# Altium PCB Inverter.PcbDoc (part 1 of 2)
Units mm, origin at the board's own origin, x right, y up, seen from the top; angles counter-clockwise.
Board outline 174 x 124 mm, 2 copper layers (Top Layer, Bottom Layer); 82 components, 224 nets, 236 pads, 107 vias.
Unrouted connection lines stored in the file: 52.
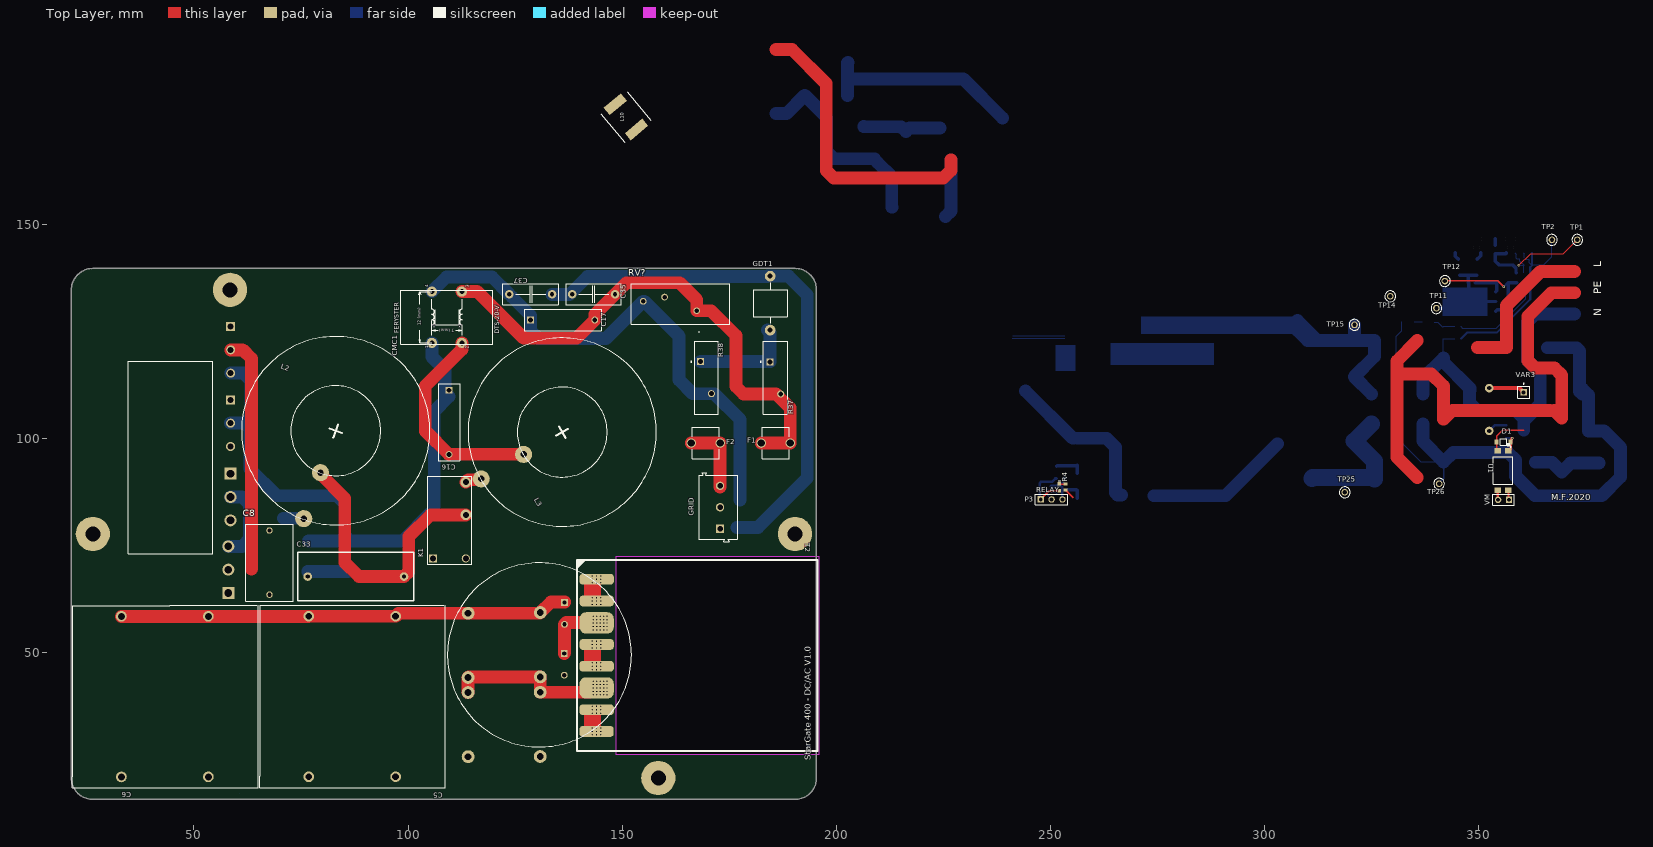
[diagram p0: Top Layer view]
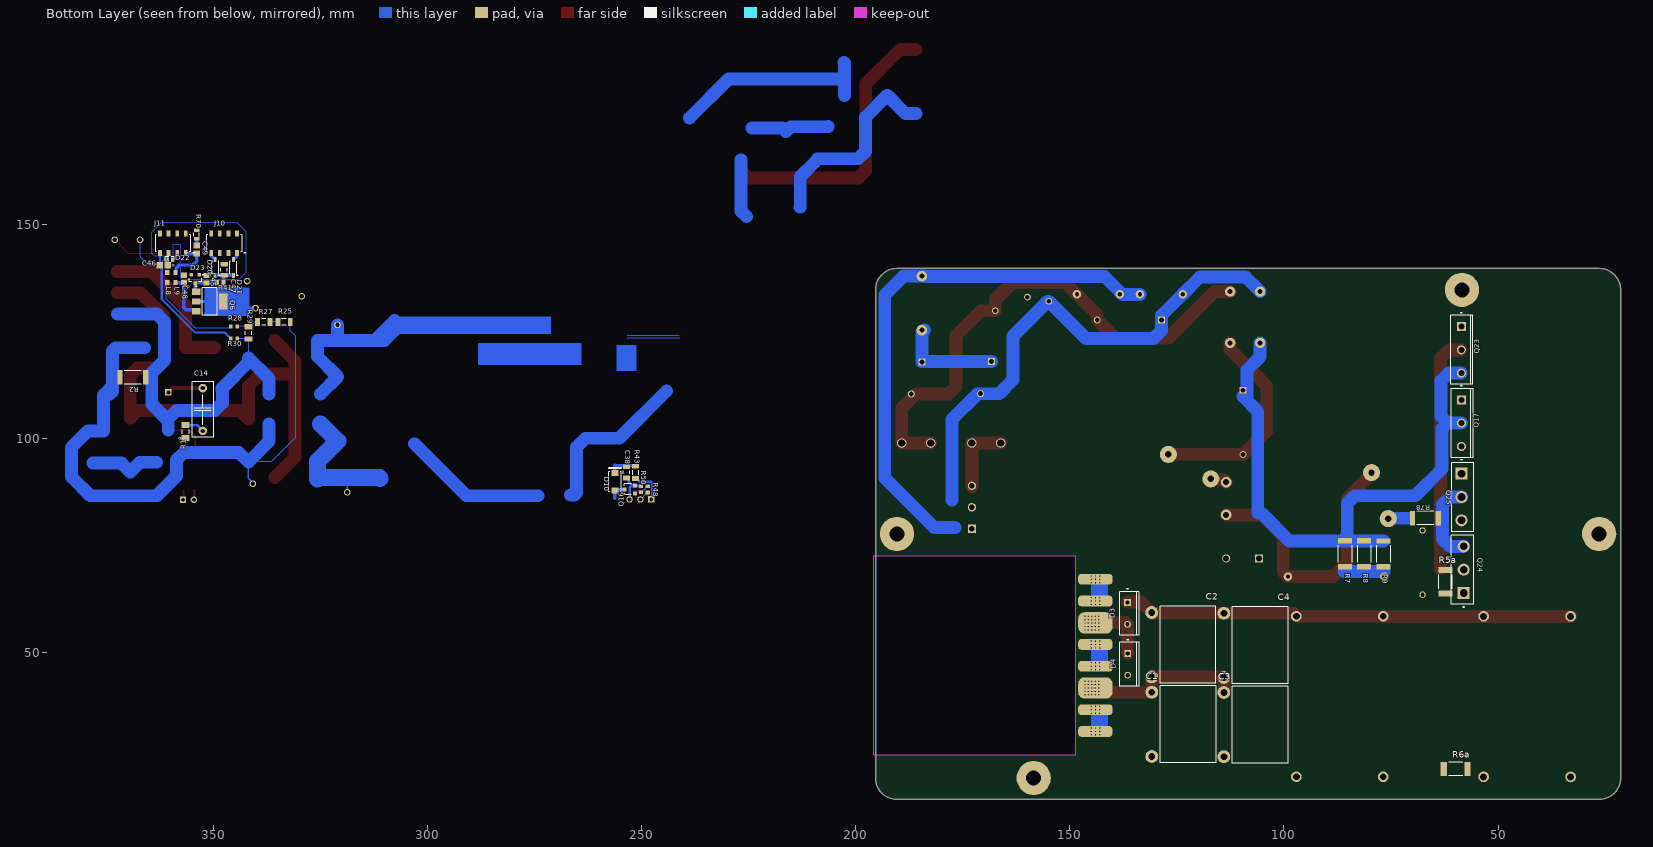
[diagram p1: Bottom Layer view, seen from below]

## Layer stack, top to bottom
Top Solder: solder mask 0.0102, Solder Resist, Dk 3.5
Top Layer: signal copper 0.0356
Dielectric 1: dielectric 0.32, FR-4, Dk 4.8
Bottom Layer: signal copper 0.0356
Bottom Solder: solder mask 0.0102, Solder Resist, Dk 3.5

## Board outline
21.375,20.625 21.375,134.625 cw(c26.375,134.625) 26.375,139.625 190.375,139.625 cw(c190.375,134.625) 195.375,134.625 195.375,20.625 cw(c190.375,20.625) 190.375,15.625 26.375,15.625 cw(c26.375,20.625)
cut-out: 148.6,72.425 195.85,72.425 195.85,26.012 148.6,26.012

## Design rules (kind name [scope] priority, off if disabled: settings)
Clearance Clearance_3 [HasFootprint('SMTC-CLT-104-02-X-D-BE')] p1: gap=0.178 ignorepadtopadclearanceinfootprint=FALSE except(0: Arc-THPad Arc-Hole Track-THPad Track-Hole SMDPad-SMDPad SMDPad-THPad SMDPad-Hole)
Clearance [All] p2: gap=0.254 ignorepadtopadclearanceinfootprint=FALSE
Clearance Clearance_2 [InNetClass('GRID')] p3: gap=2 ignorepadtopadclearanceinfootprint=FALSE
Clearance Clearance_1 [InNetClass('HVDC')] p4: gap=1 ignorepadtopadclearanceinfootprint=FALSE
HoleSize [All] p1: absolutevalues=TRUE maxlimit=5 minlimit=0.025 maxpercent=80.000 minpercent=20.000
PolygonConnect [All] p1: connectstyle=Direct reliefconductorwidth=0.254 reliefentries=4 polygonreliefangle="90 Angle" airgapwidth=0.254
RoutingVias [All] p1: holewidth=0.711 width=1.27 viastyle="Through Hole" minholewidth=0.711 minwidth=1.27 maxholewidth=0.711 maxwidth=1.27
SolderMaskExpansion [All] p1: expansion=0.102 istentingtop=FALSE
Width [All] p1: maxlimit=20 minlimit=0.178 preferedwidth=0.254
29 further rules are at their usual default settings.

## Classes and differential pairs
component class Control_Sense_TOPMOS: U13
component class "Control_Sense_BOTTMOS V2": L10 U13
net class HVDC: HV_MID_MOS NetC1_1 NetD3_2 NetL2_2 V_400VDC
net class GRID: "EARTH GND" L_GRID L_GRID_MAINS N_GRID NetC15_1 NetC16_2 NetC33_2 NetD?_2 NetGDT1_1
component class Inverter: C2 C3 C4 C5 C6 C14 C16 C17 C33 C35 C37 C38 C45 C46 C47 C48 C49 CMC1 D1 D3 D4 D10 D20 D21 D22 D23 F1 F2 GDT1 GRID J10 J11 K1 L2 L3 L8 L9 P3 Q16 Q17 Q23 Q25 R1 R2 R4 R7 R8 R9 R25 R27 R28 R29 R30 R37 R41 R43 R48 R50 R70 R78 RELAY T2 TP1 TP2 TP11 TP12 TP14 TP15 TP25 TP26 U1 U17 U18 VAR3 VM

## Components (designator, comment, footprint, x,y, rotation, side; value= is the part's Value field where it differs from the comment)
C1 "1uF" ECW-FE2W105K 122.35,33.15 r0 bottom
C2 "1uF" ECW-FE2W105K 122.375,51.75 r0 bottom
C3 "1uF" ECW-FE2W105K 105.525,33.1 r0 bottom
C4 "1uF" ECW-FE2W105K 105.525,51.6 r0 bottom
C5 "45 uF 500V" C4AQLLW5450A38K 76.8,58.405 r270 top value=45uF
C6 "45 uF 500V" C4AQLLW5450A38K 33.05,58.375 r270 top value=45uF
C8 "R71VI4100ZA0EK" R71VI4100ZA0EK 67.625,78.425 r270 top
C14 "0.22uF" "CAPMF13.0x5.0x11.0x10.0mm LxWxHxP" 352.475,106.675 r90 bottom
C16 "B32922C3104K" TDK-B32922C3104K 109.55,103.675 r270 top
C17 "B32922C3104K" TDK-B32922C3104K 136.1,127.575 r0 top
C33 "560nF" ECWFE2W335J 87.8,67.675 r0 top
C35 "2.2nF" "CAPMF13.0x5.0x11.0x10.0mm LxWxHxP" 143.325,133.6 r0 top
C37 "2.2nF" "CAPMF13.0x5.0x11.0x10.0mm LxWxHxP" 128.625,133.6 r0 top
C38 "10uF 25V" CAPC3216X229X50LL20T25 253.55,92 r90 bottom
C45 "330 nF" CAPC2013X70X45NL10T25 351.625,137.1 r270 bottom
C46 "4.7nF/C0G" CAPC2013X94X50ML20T25 361.575,140.375 r180 bottom
C47 "10uF 25V" CAPC3216X229X50LL20T25 347.475,139.325 r270 bottom
C48 "2.2uF" CAPC2013X70X45NL10T25 356.9,137.2 r270 bottom
C49 "10 uF" CAPC2013X135X45ML10T25 353.925,144.05 r270 bottom
CMC1 "" DTS-20/0,47/7,0 105.55,122.225 r90 top
D1 "MMSZ4682T1G" ONSC-SOD-123-2-425-04_V 355.85,99.1 r180 top
D3 "IDH06G65C6XKSA1" INF-PG-TO220-2-1 136.525,59.05 r180 bottom
D4 "IDH06G65C6XKSA1" INF-PG-TO220-2-1 136.475,47.175 r180 bottom
D10 "STPS1H100A" STM-SMA-2_V 256.225,89.8 r90 bottom
D20 "1N5819HW-7-F" DIOD-SOD-123-2_V 349.575,139.85 r270 bottom
D21 "1N5819HW-7-F" DIOD-SOD-123-2_V 345.35,139.85 r270 bottom
D22 "GG040205170N2P" RESC1005X40N 360.15,141.825 r180 bottom
D23 "5.6V" ONSC-SOT-23-3-318-08_V 354.225,137.15 r270 bottom
F1 "3517" KSTN-3517-2_V 185.863,98.838 r0 top
F2 "3517" KSTN-3517-2_V 169.5,98.85 r0 top
GDT1 "AC240" AC240 184.55,125.225 r90 top
GRID "691101710003" 691101710003 172.35,83.85 r90 top
J10 "CLT-104-02-L-D-BE" SMTC-CLT-104-02-X-D-BE 347.5,145.5 r0 bottom
J11 "CLT-104-02-L-D-BE" SMTC-CLT-104-02-X-D-BE 359.45,145.5 r0 bottom
K1 "ALQ312" PNSC-LQ-4-2000x1000x1600_V 105.855,71.915 r90 top
L2 "1mH" PCBComponent_1 83.1,101.725 r340 top
L3 "1mH" PCBComponent_1 136,101.4 r300 top
L8 "742792097" SMD-0805 360.75,137.475 r90 bottom
L9 "MMZ1608A222BTA00" SMD-0805 358.825,137.475 r90 bottom
L10 "22uH" INDPM8680X400N 150.849,175.016 r130 top
P3 "Header 3" HDR1X3 247.735,85.675 r0 top
Q6 "DZT2222A-13" ONSC-SOT-223-4-318E-04_V 350.85,131.9 r180 bottom
Q16 "2N7002" STM-SOT-23-3_V 252.775,88.025 r90 bottom
Q17 "IKW30N65EL5 / STGW30M65DF2" INF-PG-TO247-3_V 58.55,103.5 r180 bottom
Q23 "IKW30N65EL5 / STGW30M65DF2" INF-PG-TO247-3_V 58.575,120.615 r180 bottom
Q24 "C3M0065090D" CREE-TO-247-3_V 58.025,69.275 r90 bottom
Q25 "C3M0065090D" CREE-TO-247-3_V 58.525,86.24 r270 bottom
R1 "1k" RESC3216X60X45ML15T20 356.475,101.525 r90 bottom
R2 "1M 5% 2512(6432)" RESC2512(6432)_N 368.825,114.175 r0 bottom value="1000000.00 Ohm"
R4 "3.3k" RESC1608X55X25NL10T15 253.5,88.55 r90 top
R5a "0R" RESC6432X89X76LL25T25 62.25,66.45 r90 bottom
R6a "0.025R" RESC6432X89X76LL25T25 59.9,22.725 r0 bottom
R7 "30R/2W" RESC2512(6432)_N 85.75,73 r270 bottom value="100.00 Ohm"
R8 "30R/2W" RESC2512(6432)_N 81.3,73 r270 bottom value="100.00 Ohm"
R9 "30R/2W" RESC2512(6432)_N 76.75,72.975 r270 bottom value="100.00 Ohm"
R25 "1M 0.1% 1206" RESC1206(3216)_N 333.5,127.125 r180 bottom value="1500000.00 Ohm"
R27 "1M 0.1% 1206" RESC1206(3216)_N 338.225,127.1 r180 bottom value="1500000.00 Ohm"
R28 "0R" RESC1608X55X25ML10T15 345.2,126.075 r0 bottom
R29 "7.5k 0.1% 1206" RESC3216X50X50NL20T20 341.8,124.575 r90 bottom
R30 "0R" RESC1608X55X25ML10T15 345.2,123.275 r0 bottom
R37 "V275LA20AP" LFUS-V275LA20AP 185.775,114.075 r270 top
R38 "V275LA20AP" LFUS-V275LA20AP 169.575,114.125 r270 top
R41 "47R" RESC2013X70X40LL20T20 348.4,136.275 r180 bottom
R43 "470R" RESC3216X70X50NL05T20 251.425,92 r270 bottom
R48 "330R" RESC1608X55X30ML15T15 248.55,88.05 r90 bottom
R50 "100K" RESC1608X55X30NL15T15 250.125,88.05 r270 bottom
R70 "1R" RESC2012X70N 353.9,147.55 r270 bottom
R78 "0.025R 1% 2512(6432)" RESC2512(6432)_N 66.975,81.3 r0 bottom value="100.00 Ohm"
RELAY "150060GS75000" 0603_A 252.075,88.5 r270 top
RV? "B72220W2271K101" B72220W2271K101 167.4,129.75 r180 top
T2 "LLC 400W" ETD39-K-V-16P-HORIZONTAL-SEC 139.475,26.925 r0 top locked
TP1 "5002" KSTN-5002 373.05,146.3 r0 top
TP2 "5002" KSTN-5002 367.125,146.3 r0 top
TP11 "5002" KSTN-5002 340.15,130.35 r90 top
TP12 "5002" KSTN-5002 342.125,136.675 r90 top
TP14 "5002" KSTN-5002 329.36,133.115 r90 top
TP15 "5002" KSTN-5002 321.025,126.45 r90 top
TP25 "5002" KSTN-5002 318.75,87.35 r90 top
TP26 "5002" KSTN-5002 340.775,89.35 r90 top
U1 "FOD817A3SD" FAIR-SMT-4_V 355.7,92.45 r270 top
VAR3 "Plug" PIN1 360.5,110.675 r0 top
VM "Header 2" HDR1X2 357.1,85.6 r180 top

## Footprints (in the part's own frame and the unit in brackets; to place one, negate y for a bottom-side part, rotate by r counter-clockwise, add the part's x,y. Pads: shape width x height; smd on the part's side, far side on the other; paste and mask are expansions set on the pad)
0603_A [mm] "Chip LED, 2-Leads, Body 1.6x0.8mm, IPC Medium Density"
  rect 0.8x0.8 smd: 1(-0.8,0) 2(0.8,0)
  silkscreen extent -1.5,-0.3 -1.5,0.3, body extent -0.8,-0.4 0.8,0.4, height 0.7
691101710003 [mm] "5,00mm - modular - blue - Horizontal entry with pressure clamp - 12,6mm height - 03p"
  rect 1.95x1.95 hole 1.3: 1(-5,-0.5)
  round 1.95 hole 1.3: 2(0,-0.5) 3(5,-0.5)
  silkscreen extent -8.1,-4.5 8.1,4.5, body extent -8.1,-4.5 8.1,4.5, height 12.65
AC240 [mm]
  round 2.5 hole 1.2: 1(0,0) 2(12.6,0)
  silkscreen extent 1.59,-4 11.02,4
B72220W2271K101 [mm]
  round 1.575 hole 1.05: 1(0,0) 2(7.5,-3.2) 3(12.5,-2.2)
  silkscreen extent -7.75,-6.35 15.25,5.05, body extent -7.75,-6.35 15.25,3.15, height 28.1
C4AQLLW5450A38K [mm]
  round 2.5 hole 1.6: 1(0,20.3) 1(0,0) 2(37.48,20.3) 2(37.5,0)
  silkscreen extent -2.55,-11.47 40.05,31.93, body extent -2.55,-11.48 40.05,31.93, height 25.2
CAPC2013X70X45NL10T25 [mm] "Chip Capacitor, 2-Leads, Body 2.00x1.25mm, IPC Medium Density"
  rect 1.2x1.4 smd: 1(-0.85,0) 2(0.85,0)
  body extent -1.05,-0.67 1.05,0.67, height 0.7
CAPC2013X94X50ML20T25 [mm] "Chip Capacitor, 2-Leads, Body 2.01x1.25mm, IPC Low Density"
  rect 1.55x1.55 smd: 1(-0.925,0) 2(0.925,0)
  body extent -1.1,-0.72 1.11,0.72, height 0.94
CAPC2013X135X45ML10T25 [mm] "Chip Capacitor, 2-Leads, Body 2.00x1.25mm, IPC Low Density"
  rect 1.4x1.5 smd: 1(-0.95,0) 2(0.95,0)
  body extent -1.05,-0.67 1.05,0.67, height 1.35
CAPC3216X229X50LL20T25 [mm] "Chip Capacitor, 2-Leads, Body 3.40x1.80mm, IPC High Density"
  rect 1.1x1.7 smd: 1(-1.3,0) 2(1.3,0)
  silkscreen extent -0.35,-0.75 0.35,0.75, body extent -1.7,-0.9 1.7,0.9, height 2.29
"CAPMF13.0x5.0x11.0x10.0mm LxWxHxP" [mm] "Capacitor, THT, Metallized Polypropylene Film, 10mm lead pitch"
  round 2 hole 0.965: 1(-5,0) 2(5,0)
  silkscreen extent -6.5,-2.5 6.5,2.5, body extent -6.5,-2.5 6.5,2.5, height 11
CREE-TO-247-3_V [mm] "FM, 3-Leads, Body 16.13x5.21 mm, Pitch 5.44mm"
  rect 2.8x2.8 hole 1.8 paste+0: 1(-5.44,0)
  round 2.8 hole 1.8 paste+0: 2(0,0) 3(5.44,0)
  silkscreen extent -8.84,-2.33 8.06,2.88, body extent -8.06,-2.28 8.06,2.88, height 25.5
DIOD-SOD-123-2_V [mm] "SOD-123, 2-Leads, Body 2.85x1.7mm (max), Pitch 3.7mm"
  rect 1.2x0.7 smd: 1(-1.85,0) 2(1.85,0)
  silkscreen extent -1.43,-0.85 1.97,1.02, body extent -1.42,-0.85 1.42,0.85, height 1.45
DTS-20/0,47/7,0 [mm]
  round 2.4 hole 1.2: 1(0,0) 2(0,-7) 3(12,-7) 4(12,0)
  silkscreen extent -0.25,-14.25 12.25,7.25, body extent -0.51,-14.1 12.44,6.96, height 20.03
ECW-FE2W105K [mm]
  round 3 hole 1.6: 1(8.5,-7.5) 2(8.5,7.5)
  silkscreen extent -6.5,-9.01 6.5,9, body extent -6.5,-9 6.5,9, height 7
ECWFE2W335J [mm]
  round 2 hole 1: 1(-11.25,0) 2(11.25,0)
  silkscreen extent -13.6,-5.65 13.58,5.65, body extent -13,-5 13,5, height 17
ETD39-K-V-16P-HORIZONTAL-SEC [mm]
  rrect60% 8x2.5 smd: 9(4.549,4.57) 10(4.563,9.647) 12(4.563,19.807) 13(4.563,24.887) 15(4.563,35.047) 16(4.563,40.127)
  rrect60% 8x2.5 smd far side: 9(4.563,4.567) 10(4.563,9.647) 12(4.563,19.807) 13(4.563,24.887) 15(4.563,35.047) 16(4.563,40.127)
  round 0 all layers, no hole: 9(7.428,4.568) 10(7.428,9.643) 11(7.374,14.727) 12(7.428,19.818) 13(7.424,24.87) 14(7.374,29.92) 15(7.428,35.043) 16(7.428,40.118)
  rrect60% 8x5 smd far side: 11(4.563,14.727) 14(4.563,29.92)
  rrect60% 8x5 smd: 11(4.563,14.727) 14(4.563,29.92)
  silkscreen extent 0,0 56.13,44.57, body extent 3.6,0.23 55.8,44.73, height 27.5
FAIR-SMT-4_V [mm] "SMD, 4-Leads, Body 6.5x4.6mm, Pitch 2.54mm"
  rect 1.3x1.5 smd: 1(-4.6,1.27) 2(-4.6,-1.27) 3(4.6,-1.27) 4(4.6,1.27)
  silkscreen extent -6.2,-2.3 3.25,2.3, body extent -3.25,-2.3 3.25,2.3, height 3.85
HDR1X2 [mm] "Connector; Header; 2 Position"
  rect 1.5x1.5 hole 0.9: 1(0,0)
  round 1.5 hole 0.9: 2(2.54,0)
  silkscreen extent -1.27,-1.27 3.81,1.27
HDR1X3 [mm] "Connector; Header; 3 Position"
  rect 1.5x1.5 hole 0.9: 1(0,0)
  round 1.5 hole 0.9: 2(2.54,0) 3(5.08,0)
  silkscreen extent -1.27,-1.27 6.35,1.27
INDPM8680X400N [mm]
  rect 2.2x5.3 smd: 1(-3.85,0) 2(3.85,0)
  silkscreen extent -4.33,-4 4.33,4, body extent -4.33,-4 4.33,4, height 4
INF-PG-TO220-2-1 [mm] "FM, 2-Leads, Body 10x4.4mm, Pitch 5.08mm"
  rect 1.6x1.6 hole 1: 1(0,2.54)
  round 1.6 hole 1: 2(0,-2.54)
  silkscreen extent -1.85,-5.1 2.65,5.87, body extent -1.85,-5.1 2.65,5.1, height 19.65
INF-PG-TO247-3_V [mm] "FM, 3-Leads, Body 20.96x15.865mm, Pitch 5.44mm"
  rect 2.1x2.1 hole 1.4: 1(0,5.44)
  round 2.1 hole 1.4: 2(0,0) 3(0,-5.44)
  silkscreen extent -2.49,-8.05 2.71,8.82, body extent -2.49,-8.03 2.71,8.03, height 25.57
KSTN-3517-2_V [mm] "THD, 2-Leads, Pin Spacing 6.76mm, Height 8.71mm"
  round 2.2 hole 1.7: 1(-3.38,0) 2(3.38,0)
  silkscreen extent -3.13,-3.7 3.13,3.7, body extent -3.78,-3.7 3.78,3.7, height 8.69
KSTN-5002 [mm] "Test Point, Through Hole, Dia 2.54mm"
  round 1.55 hole 1.016: 1(0,0)
  silkscreen extent -1.27,-1.27 1.27,1.27, body extent -1.25,-1.25 1.25,1.25, height 4.62
LFUS-V275LA20AP [mm] "THD, 2-Leads, Body 17x5.6mm, Pitch 7.5mm"
  rect 1.65x1.65 hole 1.15: 1(-3.75,-1.25)
  round 1.65 hole 1.15: 2(3.75,1.25)
  silkscreen extent -8.5,-3.57 8.5,2.8, body extent -8.5,-2.8 8.5,2.8, height 20
ONSC-SOD-123-2-425-04_V [mm] "SOD, 2-Leads, Body 2.69x1.6mm"
  rect 0.91x1.22 smd: 1(-1.635,0) 2(1.635,0)
  silkscreen extent -1.76,-0.8 0.78,1.28, body extent -1.35,-0.8 1.35,0.8, height 1.35
ONSC-SOT-23-3-318-08_V [mm] "SOT23, 3-Leads, Body 2.92x1.3mm, Pitch 0.95mm"
  rect 0.9x0.8 smd: 1(-1,0.95) 2(-1,-0.95) 3(1,0)
  silkscreen extent -1.12,-1.46 0.65,2.02, body extent -0.65,-1.46 0.65,1.46, height 1.11
ONSC-SOT-223-4-318E-04_V [mm] "SOT223, 4-Leads, Body 6.5x3.5mm, Pitch 2.3mm"
  rect 2x1.5 smd: 1(-3.15,2.3) 2(-3.15,0) 3(-3.15,-2.3)
  rect 2x3.8 smd: 4(3.15,0)
  silkscreen extent -3.27,-3.25 1.75,3.72, body extent -1.75,-3.25 1.75,3.25, height 1.75
PCBComponent_1 [mm]
  round 4 hole 1.5: 1(0,-10.414) 2(0,-21.844)
  silkscreen extent -22,-22 22,22, body extent -20.97,-21.98 20.97,21.74, height 16.8
PIN1 [mm] "Connector; Plug"
  rect 1.5x1.5 hole 0.9: 1(0,0)
  silkscreen extent -1.4,-1.4 1.4,2.17
PNSC-LQ-4-2000x1000x1600_V [mm] "LQ, 4-Leads, Body 20x10mm"
  rect 1.9x1.9 hole 1.4: 1(0,0)
  round 2.5 hole 1.4: 2(17.78,-7.62) 3(10.16,-7.62)
  round 1.9 hole 1.4: 4(0,-7.62)
  silkscreen extent -1.35,-9.01 19.13,1.39, body extent -1.31,-9.01 19.09,1.39, height 16.6
R71VI4100ZA0EK [mm]
  round 1.5 hole 1: 1(0,0) 2(15,0)
  silkscreen extent -1.5,-5.5 16.5,5.5, body extent -1.5,-5.5 16.5,5.5, height 19.2
RESC1005X40N [mm] "Chip Resistor, Body 1.0x0.5mm, EIA 0402, IPC Medium Density"
  round 0.2 on Mech15: 0(0,0)
  rrect20% 0.6x0.6 smd: 1(-0.5,0) 2(0.5,0)
  Top Layer pour cut-out: -0.325,0.375 -0.2,0.5 0.2,0.5 0.325,0.375 0.325,-0.375 0.2,-0.5 -0.2,-0.5 -0.325,-0.375
  silkscreen extent -1.05,-0.55 1.05,0.55, body extent -0.52,-0.27 0.53,0.28, height 0.4
RESC1206(3216)_N [mm] "Chip Resistor, Body 3.2x1.6mm, IPC Medium Density"
  rect 1.15x1.8 smd: 1(-1.45,0) 2(1.45,0)
  silkscreen extent -0.5,-0.8 0.5,0.8, body extent -1.67,-0.87 1.67,0.87, height 0.75
RESC1608X55X25ML10T15 [mm] "Chip Resistor, 2-Leads, Body 1.60x0.80mm, IPC Low Density"
  rect 0.8x1 smd: 1(-0.75,0) 2(0.75,0)
  body extent -0.85,-0.45 0.85,0.45, height 0.55
RESC1608X55X25NL10T15 [mm] "Chip Resistor, 2-Leads, Body 1.70x0.90mm, IPC Medium Density"
  rect 0.7x0.9 smd: 1(-0.7,0) 2(0.7,0)
  body extent -0.85,-0.45 0.85,0.45, height 0.55
RESC1608X55X30ML15T15 [mm] "Chip Resistor, 2-Leads, Body 1.60x0.80mm, IPC Low Density"
  rect 0.9x1.05 smd: 1(-0.725,0) 2(0.725,0)
  body extent -0.87,-0.48 0.87,0.48, height 0.55
RESC1608X55X30NL15T15 [mm] "Chip Resistor, 2-Leads, Body 1.60x0.80mm, IPC Medium Density"
  rect 0.8x0.95 smd: 1(-0.675,0) 2(0.675,0)
  body extent -0.87,-0.48 0.87,0.48, height 0.55
RESC2012X70N [mm] "Chip Resistor, Body 2.0x1.2mm, EIA 0805, IPC Medium Density"
  round 0.254 on Mech15: 0(0,0)
  rrect25% 0.8x1.3 smd: 1(-1,0) 2(1,0)
  Top Layer pour cut-out: -0.725,0.65 -0.525,0.85 0.525,0.85 0.725,0.65 0.725,-0.65 0.525,-0.85 -0.525,-0.85 -0.725,-0.65
  silkscreen extent -0.38,-0.64 0.38,0.64, body extent -1.1,-0.67 1.1,0.68, height 0.69
RESC2013X70X40LL20T20 [mm] "Chip Resistor, 2-Leads, Body 2.00x1.25mm, IPC High Density"
  rect 0.95x1.35 smd: 1(-0.775,0) 2(0.775,0)
  body extent -1.1,-0.72 1.1,0.72, height 0.7
RESC2512(6432)_N [mm] "Chip Resistor, Body 6.4x3.2mm, IPC Medium Density"
  rect 1.25x3.35 smd: 1(-3,0) 2(3,0)
  silkscreen extent -2,-1.57 2,1.58, body extent -3.25,-1.7 3.25,1.7, height 0.75
RESC3216X50X50NL20T20 [mm] "Chip Resistor, 2-Leads, Body 3.20x1.60mm, IPC Medium Density"
  rect 1.25x1.8 smd: 1(-1.425,0) 2(1.425,0)
  silkscreen extent -0.4,-0.8 0.4,0.8, body extent -1.7,-0.9 1.7,0.9, height 0.5
RESC3216X60X45ML15T20 [mm] "Chip Resistor, 2-Leads, Body 3.3x1.75mm, IPC Low Density"
  rect 1.35x1.85 smd: 1(-1.525,0) 2(1.525,0)
  silkscreen extent -0.45,-0.82 0.45,0.82, body extent -1.65,-0.88 1.65,0.87, height 0.6
RESC3216X70X50NL05T20 [mm] "Chip Resistor, 2-Leads, Body 3.20x1.60mm, IPC Medium Density"
  rect 1.1x1.65 smd: 1(-1.425,0) 2(1.425,0)
  silkscreen extent -0.5,-0.73 0.5,0.73, body extent -1.63,-0.82 1.62,0.82, height 0.7
RESC6432X89X76LL25T25 [mm] "Chip Resistor, 2-Leads, Body 6.6x3.43mm, IPC High Density"
  rect 1.45x3.35 smd: 1(-2.75,0) 2(2.75,0)
  silkscreen extent -1.65,-1.58 1.65,1.58, body extent -3.3,-1.72 3.3,1.71, height 0.89
SMD-0805 [mm] "Chip Inductor, 2-Leads, Body 2.0x1.2mm"
  rect 1.15x1 smd: 1(-1.175,0) 2(1.175,0)
  body extent -1,-0.6 1,0.6, height 0.89
SMTC-CLT-104-02-X-D-BE [mm] "Low Profile Socket Strip, 2x4 Pins, Vertical, 2mm Pitch, Female"
  rect 0.89x1.43 smd: 1(-3,2.245) 2(-3,-2.245) 3(-1,2.245) 4(-1,-2.245) 5(1,2.245) 6(1,-2.245) 7(3,2.245) 8(3,-2.245)
  round 0.61 hole 0.91 unplated: MH1(-3,1) MH2(-3,-1) MH3(-1,1) MH4(-1,-1) MH5(1,1) MH6(1,-1) MH7(3,1) MH8(3,-1)
  silkscreen extent -4.99,-2 4.07,2.37, body extent -4,-2.58 4,2.58, height 2.25
STM-SMA-2_V [mm] "Diode, 2-Leads, Body 4.6x2.9mm"
  rect 1.4x1.64 smd: 1(-2.015,0) 2(2.015,0)
  silkscreen extent -2.3,-1.45 3.22,1.45, body extent -2.3,-1.45 2.3,1.45, height 2.59
STM-SOT-23-3_V [mm] "SOT23, 3-Leads, Body 3.016x2.8mm, Pitch 0.95mm"
  rect 0.9x0.95 smd: 1(-0.95,-1.25) 2(0.95,-1.25) 3(0,1.25)
  silkscreen extent -1.3,-0.38 1.3,1.25, body extent -1.14,-1.25 1.17,1.36, height 1.25
TDK-B32922C3104K [mm] "THD, 2-leads, Body 18x5mm, Pitch 15mm"
  rect 1.6x1.6 hole 1.1: 1(-7.5,0)
  round 1.6 hole 1.1: 2(7.5,0)
  silkscreen extent -9,-2.5 9,2.5, body extent -9,-2.5 9,2.5, height 10.5

## Part data
C1 C2 C3 C4: library part CAPMF_330n_TH_MPET_63VDC_10%, "ECW-FE2W105K", Case/Package=Radial, Dielectric Material=PP, Manufacturer=Panasonic, Manufacturer Part Number=ECWFE2W335J, Max Operating Temperature=105°C, Min Operating Temperature=-40°C, Supplier Part Number 1=2805922, Tolerance=5%, Voltage Rating (DC)=450V, Capacitance=1uF, ComponentLink1Description=https://industrial.panasonic.com/cdbs/www-data/pdf/RDI0000/DMI0000COL72.pdf?src-supplier=Digi-Key, ComponentLink1URL=https://industrial.panasonic.com/cdbs/www-data/pdf/RDI0000/DMI0000COL72.pdf?src-supplier=Digi-Key, Height - Seated (Max)=0.67inch, Lead Pitch=0.886inch, Length=1.024inch, Mount="Through Hole", Packaging=Bulk, RoHS=Yes, Stock 1=358, Supplier 1=Farnell, Termination="PC Pins", Width=0.394inch
C5 C6: library part CAPMF_330n_TH_MPET_63VDC_10%, "Capacitor THD Metallized PP 45 uF, 500 VDC, -55/+105°C", Manufacturer=KEMET, Manufacturer Part Number=C4AQLLW5450A38K, Supplier Part Number 1=82AH0176, ComponentLink1Description=http://www.epcos.com/inf/20/20/db/fc_2009/MKT_B32520_529.pdf, ComponentLink1URL=http://www.epcos.com/inf/20/20/db/fc_2009/MKT_B32520_529.pdf, RoHS=Yes, Supplier 1=Newark
C8: "Capacitor", Manufacturer_Name=Kemet, Mouser Part Number=80-R71VI4100ZA0EK, Arrow Part Number=R71VI4100ZA0EK, Arrow Price/Stock=https://www.arrow.com/en/products/r71vi4100za0ek/kemet-corporation, Datasheet Link=https://www.arrow.com/en/products/r71vi4100za0ek/kemet-corporation, Height=19.1mm, Manufacturer_Part_Number=R71VI4100ZA0EK, Mouser Price/Stock=https://www.mouser.com/Search/Refine.aspx?Keyword=80-R71VI4100ZA0EK
C14: library part CAPMF_330n_TH_MPET_63VDC_10%, "B32021A3222K289", Manufacturer 1="EPCOS Inc", Manufacturer Part Number 1=ECW-FE2W475P, Operating Temperature="-55°C ~ 125°C", Package / Case=Radial, Ratings="275VAC/ X2", Supplier Part Number 1=495-2548-ND, Tolerance=±10%, ComponentLink1Description=http://www.epcos.com/inf/20/20/db/fc_2009/MKT_B32520_529.pdf, ComponentLink1URL=http://www.epcos.com/inf/20/20/db/fc_2009/MKT_B32520_529.pdf, Height - Seated (Max)=6.50mm, Lead Spacing=5.00mm, Material="Metallized Polyester", SCDType=source, Size / Dimension="7.20mm L x 3.00mm W max", Supplier 1=Digi-Key
C16 C17: library part CMP-2000-05891-1, "EMI Suppression Capacitor (MKP), 0.1 uF, +/- 10%, 305 V, 2-Pin THD, RoHS, Bulk", Capacitance=0.1µF, Dielectric Material=Polypropylene, Manufacturer=TDK, Operating Temperature=-40°C~110°C, Package / Case=Radial, Package Description="2-Pin Through Hole Device, Body 18 x 5 mm, Pitch 15 mm", Standard Package=4,000, Tolerance=±10%, Voltage Rating - AC=305V, Voltage Rating - DC=630V, Applications=EMISuppressionX2, Category=Capacitors, Datasheet URL=https://en.tdk.eu/inf/20/20/db/fc_2009/X2_B32921_928.pdf, Datasheet Version=09/2016, Dynamic Catalog=B32922Series, Family=FilmCapacitors, Features=EMISuppression, Height - Seated (Max)="0.413\"(10.50mm)", Lead Spacing="0.591\"(15.00mm)", Manufacturer URL=http://www.tdk.com/, Mounting Technology=ThroughHole, Mounting Type=ThroughHole, Other Names=495-4476, Package Reference=B32922C3104K, Packaging=Bulk, Series=B32922, Size / Dimension="0.709\"Lx0.197\"W(18.00mmx5.00mm)", Termination=PCPins
C33: library part CAPMF_330n_TH_MPET_63VDC_10%, "MPX564K305G", Manufacturer 1="EPCOS Inc", Manufacturer Part Number 1=ECW-FE2W475P, Operating Temperature="-55°C ~ 125°C", Package / Case=Radial, Ratings=305VAC, Supplier Part Number 1=495-2548-ND, Tolerance=±10%, ComponentLink1Description=http://www.epcos.com/inf/20/20/db/fc_2009/MKT_B32520_529.pdf, ComponentLink1URL=http://www.epcos.com/inf/20/20/db/fc_2009/MKT_B32520_529.pdf, Height - Seated (Max)=6.50mm, Lead Spacing=5.00mm, Material="Metallized Polyester", SCDType=source, Size / Dimension="7.20mm L x 3.00mm W max", Supplier 1=Digi-Key
C35 C37: library part CAPMF_330n_TH_MPET_63VDC_10%, "B32021A3222K289", Manufacturer 1="EPCOS Inc", Manufacturer Part Number 1=ECW-FE2W475P, Operating Temperature="-55°C ~ 125°C", Package / Case=Radial, Ratings=300VAC, Supplier Part Number 1=495-2548-ND, Tolerance=±10%, ComponentLink1Description=http://www.epcos.com/inf/20/20/db/fc_2009/MKT_B32520_529.pdf, ComponentLink1URL=http://www.epcos.com/inf/20/20/db/fc_2009/MKT_B32520_529.pdf, Height - Seated (Max)=6.50mm, Lead Spacing=5.00mm, Material="Metallized Polyester", SCDType=source, Size / Dimension="7.20mm L x 3.00mm W max", Supplier 1=Digi-Key
C38 C47: library part CMP-2000-05863-1, "Chip Capacitor, 10 uF, +/- 10%, 25 V, -55 to 85 degC, 1206 (3216 Metric), RoHS, Tape and Reel", Capacitance=10µF, Case Size/Dimension=1206, Dielectric=X5R, Manufacturer=AVX, Package Description="2-Pin Surface Mount Device, Body 3.2 x 1.6 mm", Rated Voltage=25V, Tolerance (%)=±10%, Datasheet URL=http://datasheets.avx.com/cx5r.pdf, Datasheet Version=05/2016, Manufacturer URL=http://www.avx.com/, Mounting Technology=SurfaceMount, Package Reference=1206